# Altium PCB 外设连接基座PCB图3_.PcbDoc (part 1 of 2) (continued)
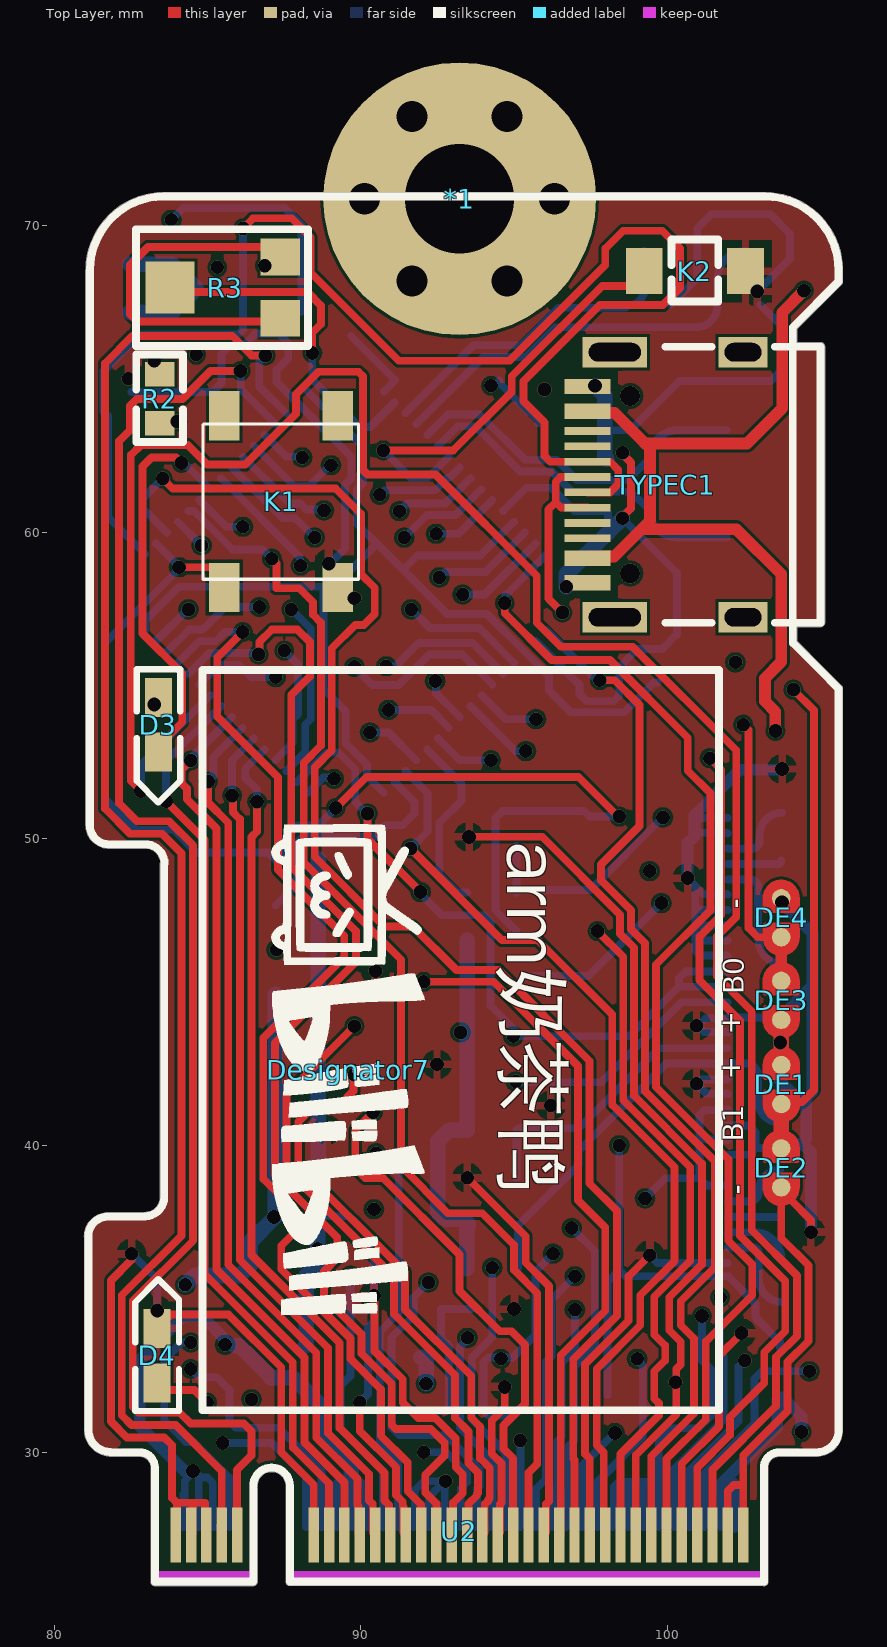
[diagram p0: Top Layer view]
## Footprints (in the part's own frame and the unit in brackets; to place one, negate y for a bottom-side part, rotate by r counter-clockwise, add the part's x,y. Pads: shape width x height; smd on the part's side, far side on the other; paste and mask are expansions set on the pad) (continued)
DEBUG_B#3 [mm] "调试断点焊盘"
  round 0.6 smd paste-0.6: 1(-0.635,0) 2(0.635,0)
  Top Layer region: 0.254,-0.508 0.762,-0.508 0.908,-0.479 1.031,-0.396 1.114,-0.273 1.143,-0.127 1.143,-0.127 1.143,0 1.104,0.194 0.994,0.359 0.829,0.469 0.635,0.508 0.635,0.508 0.254,0.508
  Top Layer region: -0.254,0.508 -0.762,0.508 -0.908,0.479 -1.031,0.396 -1.114,0.273 -1.143,0.127 -1.143,0.127 -1.143,0 -1.104,-0.194 -0.994,-0.359 -0.829,-0.469 -0.635,-0.508 -0.635,-0.508 -0.254,-0.508
  Top Layer lines w0.203: -0.635,0.508 ccw(c-0.635,0) -1.143,-0.002 ccw(c-0.635,0) -0.635,-0.508 -0.254,-0.508 -0.254,0 -0.254,0.508 -0.635,0.508 ; 0.254,0.508 0.635,0.508 cw(c0.635,0) 1.143,0 cw(c0.635,0) 0.635,-0.508 0.254,-0.508 0.254,0 0.254,0.508
DEBUG_B#4 [mm] "调试断点焊盘"
  round 0.6 smd paste-0.6: 1(-0.635,0) 2(0.635,0)
  Top Layer region: 0.254,-0.508 0.762,-0.508 0.908,-0.479 1.031,-0.396 1.114,-0.273 1.143,-0.127 1.143,-0.127 1.143,0 1.104,0.194 0.994,0.359 0.829,0.469 0.635,0.508 0.635,0.508 0.254,0.508
  Top Layer region: -0.254,0.508 -0.762,0.508 -0.908,0.479 -1.031,0.396 -1.114,0.273 -1.143,0.127 -1.143,0.127 -1.143,0 -1.104,-0.194 -0.994,-0.359 -0.829,-0.469 -0.635,-0.508 -0.635,-0.508 -0.254,-0.508
  Top Layer lines w0.203: -0.635,0.508 ccw(c-0.635,0) -1.143,0 ccw(c-0.635,0) -0.635,-0.508 -0.622,-0.508 -0.254,-0.508 -0.254,0 -0.254,0.508 -0.635,0.508 ; 0.254,0.508 0.254,0 0.254,-0.029 0.254,-0.508 0.635,-0.508 ccw(c0.635,0) 0.635,0.508 0.254,0.508
FPC0.5-30P [mm]
  rect 1.8x2.2 smd: 0(-8.9,0) 0(8.9,0)
  rect 0.3x1.3 smd: 1(-7.25,2.497) 2(-6.75,2.497) 3(-6.25,2.497) 4(-5.75,2.497) 5(-5.25,2.497) 6(-4.75,2.497) 7(-4.25,2.497) 8(-3.75,2.497) 9(-3.25,2.497) 10(-2.75,2.497) 11(-2.25,2.497) 12(-1.75,2.497) 13(-1.25,2.497) 14(-0.75,2.497) 15(-0.25,2.497) 16(0.25,2.497) 17(0.75,2.497) 18(1.25,2.497) 19(1.75,2.497) 20(2.25,2.497) 21(2.75,2.497) 22(3.25,2.497) 23(3.75,2.497) 24(4.25,2.497) 25(4.75,2.497) 26(5.25,2.497) 27(5.75,2.497) 28(6.25,2.497) 29(6.75,2.497) 30(7.25,2.497)
  silkscreen extent -9.68,-3.3 9.67,2.16, body extent -9.6,-3.15 9.6,2.85, height 2
GF_M.2_M_KEY [mm]
  rect 0.34x1.8 smd: 1(9.25,-2.694) 3(8.75,-2.694) 5(8.25,-2.694) 7(7.75,-2.694) 9(7.25,-2.694) 11(6.75,-2.694) 13(6.25,-2.694) 15(5.75,-2.694) 17(5.25,-2.694) 19(4.75,-2.694) 21(4.25,-2.694) 23(3.75,-2.694) 25(3.25,-2.694) 27(2.75,-2.694) 29(2.25,-2.694) 31(1.75,-2.694) 33(1.25,-2.694) 35(0.75,-2.694) 37(0.25,-2.694) 39(-0.25,-2.694) 41(-0.75,-2.694) 43(-1.25,-2.694) 45(-1.75,-2.694) 47(-2.25,-2.694) 49(-2.75,-2.694) 51(-3.25,-2.694) 53(-3.75,-2.694) 55(-4.25,-2.694) 57(-4.75,-2.694) 67(-7.25,-2.694) 69(-7.75,-2.694) 71(-8.25,-2.694) 73(-8.75,-2.694) 75(-9.25,-2.694)
  rect 0.34x2.3 smd far side: 2(9,-2.44) 4(8.5,-2.44) 6(8,-2.44) 8(7.5,-2.44) 10(7,-2.44) 12(6.5,-2.44) 14(6,-2.44) 16(5.5,-2.44) 18(5,-2.44) 20(4.5,-2.44) 22(4,-2.44) 24(3.5,-2.44) 26(3,-2.44) 28(2.5,-2.44) 30(2,-2.44) 32(1.5,-2.44) 34(1,-2.44) 36(0.5,-2.44) 38(0,-2.44) 40(-0.5,-2.44) 42(-1,-2.44) 44(-1.5,-2.44) 46(-2,-2.44) 48(-2.5,-2.44) 50(-3,-2.44) 52(-3.5,-2.44) 54(-4,-2.44) 56(-4.5,-2.44) 58(-5,-2.44) 68(-7.5,-2.44) 70(-8,-2.44) 72(-8.5,-2.44) 74(-9,-2.44)
  Top Layer pour cut-out: -10.414,-4.216 10.16,-4.216 10.16,-1.854 -10.414,-1.854
  Bottom Layer pour cut-out: -10.16,-4.318 10.16,-4.318 10.16,-1.346 -10.16,-1.346
  Keep-Out Layer lines w0.254: -10.976,0 -10.425,0 cw(c-10.425,-0.5) -9.925,-0.5 -9.925,-4 ; -9.924,-4 -6.726,-4 ; -6.725,-4 -6.725,-1.1 cw(c-6.125,-1.1) -5.525,-1.1 -5.525,-4 ; -5.522,-4 9.926,-4 ; 9.925,-4 9.925,-0.5 cw(c10.425,-0.5) 10.425,0 11.024,0
HX9193 [mm] "SOT23-5"
  rect 0.55x1.4 smd: 1(0,0) 2(0.95,0) 3(1.9,0) 4(1.9,3) 5(0,3)
  silkscreen extent -0.71,-0.48 2.45,2.06, body extent -0.55,0.1 2.45,2.9, height 1.15
LED-0603B [mil]
  rect 50x35 smd: A(0,0.26) K(70,0.26)
  silkscreen extent -36,-28 135,28, body extent 4,-15 66,17, height 24
LED-0603G [mil]
  rect 50x35 smd: A(0,0.26) K(70,0.26)
  silkscreen extent -36,-28 134,28, body extent 4,-15 66,17, height 24
LED-5630W [mm]
  rect 2.2x2.4 smd: A(-2.159,-0.768)
  rect 0.95x0.75 smd: A(0,-1.543) A(0,0.019) K(-5.588,0.019) K(-5.563,-1.543)
  silkscreen extent -4.75,-2.34 -0.79,0.83, body extent -5.57,-2.29 0.23,0.71, height 0.95
LOGO [mm]
  silkscreen extent -8,-2.5 8,2.5
"LQFP64 10x10_L" [mm] "64脚，体宽10x10mm，脚距0.5mm"
  oval 0.25x1.55 smd: 1(-3.75,-5.5) 2(-3.25,-5.5) 3(-2.75,-5.5) 4(-2.25,-5.5) 5(-1.75,-5.5) 6(-1.25,-5.5) 7(-0.75,-5.5) 8(-0.25,-5.5) 9(0.25,-5.5) 10(0.75,-5.5) 11(1.25,-5.5) 12(1.75,-5.5) 13(2.25,-5.5) 14(2.75,-5.5) 15(3.25,-5.5) 16(3.75,-5.5) 33(3.75,5.5) 34(3.25,5.5) 35(2.75,5.5) 36(2.25,5.5) 37(1.75,5.5) 38(1.25,5.5) 39(0.75,5.5) 40(0.25,5.5) 41(-0.25,5.5) 42(-0.75,5.5) 43(-1.25,5.5) 44(-1.75,5.5) 45(-2.25,5.5) 46(-2.75,5.5) 47(-3.25,5.5) 48(-3.75,5.5)
  oval 1.55x0.25 smd: 17(5.5,-3.75) 18(5.5,-3.25) 19(5.5,-2.75) 20(5.5,-2.25) 21(5.5,-1.75) 22(5.5,-1.25) 23(5.5,-0.75) 24(5.5,-0.25) 25(5.5,0.25) 26(5.5,0.75) 27(5.5,1.25) 28(5.5,1.75) 29(5.5,2.25) 30(5.5,2.75) 31(5.5,3.25) 32(5.5,3.75) 49(-5.499,3.75) 50(-5.499,3.25) 51(-5.499,2.75) 52(-5.499,2.25) 53(-5.499,1.75) 54(-5.499,1.25) 55(-5.499,0.75) 56(-5.499,0.25) 57(-5.499,-0.25) 58(-5.499,-0.75) 59(-5.499,-1.25) 60(-5.499,-1.75) 61(-5.499,-2.25) 62(-5.499,-2.75) 63(-5.499,-3.25) 64(-5.499,-3.75)
  silkscreen extent -4.95,-5.96 4.32,4.32, body extent -6,-6 6,6, height 1.45
"M3 140X350" [mil] "M3螺丝孔，孔140Mil，焊盘350Mil"
  round 35 hole 40: 1(-122,0) 1(-61,-105.66) 1(-61,105.66) 1(61,-105.66) 1(61,105.66) 1(122,0)
  round 350 hole 140: 1(0,0)
"OSC 3215-2P" [mm]
  rect 1.2x1.5 smd: 1(-1.65,0) 2(1.65,0)
  silkscreen extent -2.41,-0.89 2.41,0.89, body extent -1.47,-0.76 1.73,0.74, height 0.61
"OSC 5032-2P" [mm]
  rect 2.2x2.4 smd: 1(-1.75,0) 2(1.75,0)
  silkscreen extent -2.5,-1.6 2.5,1.6, body extent -2.5,-1.52 2.5,1.68, height 0.86
SMD-4X4X1.5 [mm]
  rect 1.6x1 smd: 1(-0.006,-0.065) 2(5.594,-0.065) 3(-0.006,-3.765) 4(5.594,-3.765)
  silkscreen extent 0.26,-4.44 5.32,0.64, body extent -0.53,-4.57 5.87,0.63, height 2.38
SOD-523 [mm] "塑封二极管"
  rect 0.3x0.4 smd: A(-0.203,-0.425) K(1.473,-0.425)
  silkscreen extent 0,-0.85 1.3,0, body extent -0.16,-0.83 1.44,-0.03, height 0.65
SOT-23 [mil]
  rect 36x36 smd: B(-35,-35) E(40,-35)
  rect 36x50 smd: C(3,45)
  silkscreen extent -55,-40 60,50, body extent -54,-48 60,62, height 47
"TEST 1.4" [mm] "测试点1.4mm"
  round 1.4 smd paste-1.4: 1(0,0)
  silkscreen extent -0.89,-0.89 0.89,0.89
TYPE-C [mm] "typec"
  rect 1.6x1.001 hole 0.6 slot 1.199 at 0 deg copper offset 0,0: 1(-2.181,4.32) 2(-2.181,-4.32)
  rect 2.101x1.001 hole 0.6 slot 1.7 at 0 deg copper offset 0.001,-0.001: 3(1.999,4.32)
  rect 2.101x1.001 hole 0.6 slot 1.7 at 0 deg copper offset 0.001,0: 4(1.999,-4.32)
  rect 1.5x0.5 smd: A1B12(2.889,3.2) A4B9(2.889,2.4) A9B4(2.889,-2.4) A12B1(2.889,-3.2)
  rect 1.5x0.251 smd: A5(2.889,1.25) A8(2.889,-1.25) B5(2.889,-1.75) B8(2.889,1.75)
  rect 1.5x0.249 smd: A6(2.889,0.25) A7(2.889,-0.25) B6(2.889,-0.75) B7(2.889,0.75)
  silkscreen extent -4.71,-4.5 0.35,4.5, body extent -5.72,-4.63 3.38,4.62, height 3.35

## Part data
*1: "铜柱孔"
C1 C2 C3 C4 C5 C6 C7 C8 C9 C10 C11 C12 C13 C14 C15 C16 C17 C18 C19 C20 C21 C22 C23: library part CAP, "无极性电容"
D1: "普通二极管"
D3 D4: library part LED
DE1 DE2 DE3 DE4: library part DEBUG, "调试断点焊盘"
F1: library part FUSE
J1: "贴片"
K2: "薄膜按键"
Q1: "PNP三极管"
R1 R2 R4 R5 R6 R7 R8 R9 R10 R11 R12 R13 R14 R15 R16: library part RES
R3: library part 电位器2
TP1: "测试点"
TYPEC1: "typec 3.1半完整引脚"
U2: BOM_Manufacturer=SHOWNAME=F, BOM_Manufacturer Part=SHOWNAME=F, BOM_Supplier=SHOWNAME=F, BOM_Supplier Part=SHOWNAME=F, Contributor=redgragon, link=SHOWNAME=F, spicePre=U, spiceSymbolName=GF_M.2_MKEY
U3: library part HX9193, "三端稳压"
X1 X2: library part XTAL-2P, "2脚无源脚晶振"

## Via types
v1: diameter 0.45, hole 0.45, Top Layer to Bottom Layer, tented both sides, 145 vias
v2: diameter 0.65, hole 0.65, Top Layer to Bottom Layer, tented both sides, 2 vias

## Nets (pads, with @x,y where several pads share a name; then routed paths per layer and width w, separated by ;. In a path a pad name is that pad's centre, name@x,y a point inside that pad or via, vN(x,y) a via of type N, cw(c..) or ccw(c..) an arc to the next point about the centre after c; other vN are vias at no path point)
3V3: C4.2 C5.2 C15.2 C16.2 C17.2 C18.2 C19.2 D1.K DE1.1 DE3.1 F1.2 J1.6 J1.9 J1.11 R1.1 R4.2 R6.2 R7.2 R9.2 R13.2 R15.2 R16.2 U2.2 U2.4 U2.12 U2.14 U2.16 U2.18 U3.5 | length 116.1
  Top Layer w0.508: DE3.1@103.705,44.098 DE3.1@103.705,44.098 103.706,43.59 103.706,43.129 103.706,42.623 DE1.1@103.708,42.621
  PWR w0.254: v1(84.277,35.458) 84.963,35.458 86.436,33.985 v1(86.436,31.725)
  PWR w0.381: v1(101.117,34.442) 101.117,34.448 100.66,34.905 100.66,35.382 101.117,35.839 102.184,35.839 103.683,34.341 103.683,31.344 v1(104.369,30.658)
  PWR w0.508: v1(87.173,37.668) 90.17,37.668 v1(90.424,37.922)
  GND w0.254: v1(99.263,38.278) 99.235,38.306 98.753,38.306 97.612,39.446 97.612,45.695 98.679,46.761 98.679,48.209 v1(99.416,48.946)
  GND w0.381: v1(86.436,31.725) 87.249,31.725 88.443,30.531 90.805,30.531 91.669,31.394 93.218,29.845 94.285,29.845 96.114,28.016 99.949,28.016 102.591,30.658 v1(104.369,30.658)
  GND w0.508: v1(90.424,37.922) 93.243,40.742 v1(93.243,43.688) ; 91.669,31.394 91.669,31.775 v1(92.126,32.233)
  Bottom Layer w0.254: U2.18@98.214,27.559 98.257,27.602 98.257,28.883 98.406,29.032 98.704,29.032 ; U2.16@98.714,27.559 98.704,27.569 98.704,29.032 ; U2.14@99.214,27.559 99.212,27.561 99.212,29.032 ; v1(99.263,38.278) 99.922,38.936 101.042,38.936 ; U2.12@99.73,27.575 U2.12@99.714,27.559 99.714,29.032 ; v1(101.117,34.442) 101.117,32.995 101.448,32.664 101.448,31.228 101.004,30.785 100.192,30.785 99.714,30.307 99.714,29.032 ; U2.4@101.714,27.559 101.714,28.727 ; 101.952,29.185 102.171,28.966 102.171,27.602 102.194,27.579 U2.2@102.214,27.559 ; J1.6@101.963,38.674 101.94,38.697 101.281,38.697 101.042,38.936 ; J1.9@101.963,40.174 101.94,40.197 101.281,40.197 101.042,40.436 ; J1.11@101.963,41.174 101.94,41.151 101.191,41.151 101.042,41.002 101.042,40.436 ; 98.704,29.032 99.212,29.032 ; 99.212,29.032 99.714,29.032 ; 101.042,38.936 101.042,40.436
  Bottom Layer w0.381: 101.714,28.727 101.714,28.946 101.952,29.185 103.578,30.811 103.578,31.714 R16.2@103.661,31.796 103.743,31.796 104.365,31.174 104.365,30.661 v1(104.369,30.658) ; 102.171,28.966 102.194,28.943 U2.2@102.194,27.579
  Bottom Layer w0.508: v1(84.277,35.458) 84.582,35.763 C19.2@85.928,35.763 86.055,35.763 86.395,36.103 86.395,36.865 C18.2@87.198,37.668 87.211,37.681 87.211,44.92 C5.2@87.224,44.933 ; U3.5@91.948,33.091 92.105,33.091 92.126,33.07 v1(92.126,32.233) ; D1.K@93.447,35.986 93.447,37.313 R1.1@93.497,37.363 93.497,37.446 93.351,37.592 92.736,37.592 92.507,37.821 92.507,40.132 92.875,40.5 R4.2@93.471,40.5 93.471,45.174 R13.2@93.471,46.698
  other v1: 103.673,43.358 102.21,55.753
5V: C20.2 C21.2 D2.A TYPEC1.A4B9 TYPEC1.A9B4 U2.40 U2.42 U2.44 U2.50 U2.52 U2.54 U2.70 U2.72 U2.74 U3.1 U3.3 | length 77.4
  Top Layer w0.381: TYPEC1.A4B9@97.39,59.144 97.45,59.204 98.256,59.204 99.428,60.376 99.428,62.725 99.263,62.89 ; TYPEC1.A9B4@97.39,63.944 97.449,63.885 98.269,63.885 99.263,62.89 ; 99.263,60.096 102.244,60.096 103.708,58.632 103.708,55.772 103.175,55.239 103.175,54.484 103.514,54.145 v1(103.514,53.518) ; v1(104.445,67.869) 103.734,67.158 103.734,64.033 102.591,62.89 99.263,62.89
  PWR w0.254: v1(92.761,29.058) 93.447,29.743 93.447,31.928 v1(94.564,33.045)
  Bottom Layer w0.254: U2.74@84.214,28.634 U2.74@84.214,27.559 84.257,27.602 84.257,29.074 v1@84.531,29.348 ; U2.72@84.709,27.564 U2.72@84.714,27.559 84.714,29.165 v1@84.531,29.348 ; U2.70@85.214,27.559 85.171,27.602 85.171,29.002 84.993,29.18 84.778,29.18 84.599,29.36 84.543,29.36 v1@84.531,29.348 ; U2.54@89.214,27.559 89.214,29.007 89.687,29.007 ; U2.52@89.714,27.559 89.687,27.586 89.687,29.007 ; U2.50@90.214,27.559 90.171,27.602 90.171,28.858 90.022,29.007 89.687,29.007 ; U2.44@91.714,27.559 91.757,27.602 91.757,28.765 92.05,29.058 v1@92.733,29.058 ; U2.42@92.214,27.559 92.214,28.539 v1@92.733,29.058 ; U2.40@92.714,27.559 92.737,27.582 92.737,29.034 v1(92.761,29.058) v1@92.733,29.058 ; U3.3@94.948,31.191 94.158,31.191 93.994,31.355 93.994,32.932 94.153,33.091 U3.1@94.948,33.091 95.697,33.84 95.697,35.905 v1(96.266,36.474)
  Bottom Layer w0.381: v1@84.531,29.348 84.291,29.348 82.789,30.851 82.789,33.005 84.226,34.442 84.807,34.442 85.774,33.476 C20.2@85.901,33.476
  Bottom Layer w0.508: D2.A@82.474,67.17 83.858,67.17 D2.A@84.633,67.945 83.845,68.732 D2.A@82.474,68.732 ; C20.2@85.901,33.476 86.028,33.476 87.068,32.436 87.783,32.436 C21.2@88.57,31.648 88.697,31.521 88.697,30.505 89.687,29.515 89.687,29.007
  other v1: 84.531,29.388 85.573,33.503 85.319,68.631
BOOT0: R12.2 R14.1 U1.60 | length 10.6
  PWR w0.254: v1(88.087,62.433) 90.424,64.77 v1(94.242,64.77)
  Bottom Layer w0.254: U1.60@86.858,63.165 86.861,63.165 87.571,62.455 88.065,62.455 v1(88.087,62.433) ; R14.1@94.513,64.948 94.513,64.865 95.472,63.906 95.51,63.906 95.783,63.633 R12.2@95.783,63.551
BOOT1: DE1.2 DE2.1 R10.1 R11.1 | length 31.2
  Top Layer w0.254: DE1.2@103.708,41.351 103.774,41.417 104.216,41.417 104.384,41.417 104.775,41.808 104.775,54.19 v1(104.101,54.864)
  Top Layer w0.508: DE2.1@103.705,39.907 103.706,39.909 103.706,40.415 103.706,40.843
  PWR w0.254: v1@99.873,50.648 103.454,50.648 104.496,51.689 104.496,54.416 104.101,54.811 v1(104.101,54.864)
  Bottom Layer w0.254: R10.1@95.071,48.247 R10.1@95.071,48.33 ; R11.1@95.071,49.771 R10.1@95.071,48.33 ; v1(99.846,50.698) 97.478,48.33 R10.1@95.071,48.33
GND: C2.1 C4.1 C5.1 C6.1 C7.1 C8.1 C9.1 C10.2 C11.1 C12.2 C13.1 C14.1 C15.1 C16.1 C17.1 C18.1 C19.1 C20.1 C21.1 C22.1 C23.1 D4.K DE2.2 DE4.2 J1.1 J1.8 J1.10 J1.12 J1.13 J1.16 J1.17 J1.21 J1.22 J1.23 J1.24 J1.25 J1.29 J1.30 K1.3 K2.3 Q1.C R5.2 R8.2 R11.2 R12.1 TYPEC1.A1B12 TYPEC1.A12B1 U1.12 U1.18 U1.63 U2.1 U2.3 U2.9 U2.15 U2.21 U2.27 U2.33 U2.39 U2.45 U2.57 U2.71 U2.73 U2.75 U3.2 | length 307.4
  Top Layer w0.254: v1(82.525,36.474) 82.525,36.271 81.852,35.598 81.852,31.001 82.372,30.48 83.591,30.48 83.845,30.226 83.845,28.508 84.007,28.346 ; D4.K@83.356,34.036 83.813,34.493 85.68,34.493 87.401,32.772 87.401,30.001 88.464,28.938 U2.57@88.464,27.305 ; U2.75@83.964,27.305 84.007,27.348 84.007,28.346 ; U2.73@84.464,27.305 84.507,27.348 84.507,28.355 ; U2.71@84.964,27.305 84.921,27.348 84.921,28.355 84.507,28.355 ; v1(89.964,31.623) 89.964,30.693 91.15,29.507 91.15,28.604 91.364,28.39 91.364,28.245 91.388,28.221 91.388,27.381 U2.45@91.464,27.305 ; v1(90.424,35.103) 90.442,35.085 90.442,33.302 91.364,32.38 91.364,31.623 91.872,31.115 92.425,31.115 93.091,30.449 93.091,29.515 93.321,29.285 93.321,28.669 93.007,28.355 93.007,27.348 U2.39@92.964,27.305 ; v1(93.471,38.951) 95.377,37.045 95.377,36.176 96.134,35.419 96.134,28.404 96.04,28.31 96.04,27.381 U2.27@95.964,27.305 ; v1(93.523,50.063) 95.91,50.063 98.45,47.523 98.45,46.903 98.908,46.446 98.908,41.62 101.117,39.411 101.117,36.119 100.051,35.052 100.051,33.98 100.432,33.599 100.432,32.862 100.282,32.712 100.282,32.311 v1(100.254,32.283) 100.282,32.255 100.282,31.225 98.964,29.907 U2.15@98.964,27.305 ; U2.33@94.464,27.305 94.54,27.381 94.54,28.31 94.583,28.353 94.583,29.643 94.269,29.957 94.269,31.029 94.691,31.451 v1(94.691,32.131) ; U2.21@97.464,27.305 97.464,29.79 97.307,29.947 97.307,32.873 98.73,34.295 98.73,35.738 v1(99.416,36.424) ; v1(98.527,60.452) 98.527,60.492 98.806,60.771 98.806,62.267 98.527,62.546 v1(98.527,62.586) ; U2.9@100.464,27.305 100.464,29.623 101.676,30.836 101.676,33.147 v1(102.413,33.884) ; U2.3@101.964,27.305 101.964,28.736 102.159,28.931 102.464,28.931 ; U2.1@102.464,27.305 102.464,28.931 ; DE2.2@103.705,38.637 DE2.2@103.705,38.536 ; v1(104.675,37.172) 104.675,37.566 104.01,38.231 DE2.2@103.705,38.536 ; 84.007,28.346 84.016,28.355 84.507,28.355 ; 102.464,28.931 102.464,29.894 103.911,31.342 103.911,32.944 104.597,33.63 104.597,36.09 103.705,36.982 103.705,38.129 DE2.2@103.705,38.536
  PWR w0.254: v1(100.254,32.283) 100.276,32.306 100.835,32.306 v1(102.413,33.884)
  PWR w0.381: v1(94.691,32.131) 95.58,32.131 96.901,30.81 96.901,30.277 97.739,29.439 98.639,29.439 99.2,29.999 99.2,31.204 97.942,32.461 97.942,33.249 99.416,34.722 v1(99.416,36.424)
  PWR w0.508: v1(82.525,36.474) 83.49,36.474 83.642,36.627 v1(88.595,36.627)
  GND w0.254: v1(82.423,64.999) 82.423,60.63 81.661,59.868 81.661,51.099 82.519,50.241 83.952,50.241 84.48,49.713 84.48,37.77 83.185,36.474 v1(82.525,36.474) ; v1(99.416,36.424) 98.908,35.916 98.908,34.341 100.254,32.995 v1(100.254,32.283) ; v1(100.942,42.012) 100.47,42.484 100.47,43.432 v1(100.942,43.904)
  Bottom Layer w0.254: v1(82.525,36.474) 83.363,35.636 v1(83.363,34.62) ; Q1.C@82.525,64.567 85.166,64.567 85.458,64.859 85.458,65.811 85.712,66.065 86.162,66.065 86.538,66.441 86.538,66.472 87.325,66.472 87.63,66.167 87.63,65.659 87.249,65.278 87.249,64.896 U1.63@87.919,64.226 89.687,62.458 89.687,61.747 89.484,61.544 89.484,59.461 89.002,58.979 v1(88.951,58.979) ; C18.1@88.595,37.694 89.611,37.694 90.424,36.881 v1(90.424,35.103) 90.424,34.27 90.232,34.078 90.232,31.891 v1(89.964,31.623) ; U1.12@94.636,60.69 94.639,60.69 95.391,61.443 96.215,61.443 96.977,60.681 C11.1@98.019,60.681 98.057,60.642 98.057,59.982 ; U1.18@95.697,56.448 97.13,55.015 97.13,54.717 97.364,54.483 98.247,54.483 98.425,54.661 98.425,55.596 99.013,56.185 99.822,56.185 100.302,56.665 100.302,58.677 v1(98.527,60.452) ; 97.946,63.32 98.778,63.32 100.381,64.922 103.358,64.922 103.734,65.298 103.734,66.7 C13.1@103.022,67.412 ; v1(99.416,36.424) 99.665,36.174 J1.1@101.963,36.174 ; C14.1@100.101,67.412 100.965,68.275 100.965,69.901 101.422,70.358 103.353,70.358 103.988,69.723 103.988,68.903 102.928,67.843 v1(102.921,67.843) ; v1(100.647,48.717) 100.901,48.463 ; 100.876,50.368 101.047,50.197 101.94,50.197 J1.29@101.963,50.174 ; 100.876,50.775 100.92,50.775 101.021,50.674 J1.30@101.963,50.674 ; 100.932,46.828 101.081,46.68 101.958,46.68 J1.22@101.963,46.674 ; 100.932,47.284 101.042,47.174 J1.23@101.963,47.174 ; J1.8@101.963,39.674 101.986,39.697 102.646,39.697 102.867,39.919 ; J1.10@101.963,40.674 101.986,40.651 102.646,40.651 102.867,40.429 102.867,39.919 ; J1.12@101.963,41.674 101.94,41.697 101.256,41.697 v1(100.942,42.012) 101.081,42.151 101.94,42.151 J1.13@101.963,42.174 ; J1.16@101.963,43.674 101.94,43.697 101.202,43.697 100.995,43.904 101.242,44.151 101.94,44.151 J1.17@101.963,44.174 103.59,44.174 R8.2@103.739,44.323 ; J1.21@101.963,46.174 101.94,46.197 101.056,46.197 100.901,46.351 100.901,47.825 ; J1.24@101.963,47.674 101.052,47.674 100.901,47.825 ; J1.25@101.963,48.174 101.94,48.197 101.168,48.197 100.901,48.463 ; 104.374,40.075 104.218,39.919 102.867,39.919 ; 100.901,47.825 100.901,48.463
  Bottom Layer w0.381: v1(100.647,48.717) 100.647,49.86 100.876,50.089 100.876,50.368 100.876,50.775 102.349,52.248 C7.1@103.708,52.248 ; C2.1@103.705,42.19 C2.1@103.648,42.133 104.372,41.409 ; C6.1@103.734,47.904 104.724,46.914 104.724,45.226 ; R8.2@103.78,44.282 104.724,45.226 ; v1(104.675,37.172) 104.675,39.775 104.374,40.075 104.521,40.222 104.521,41.558 104.724,41.762 104.724,45.226
  Bottom Layer w0.508: C20.1@88.187,33.476 88.214,33.504 C19.1@88.214,35.763 88.595,36.144 v1(88.595,36.627) C18.1@88.595,37.694 88.608,37.706 88.608,40.589 88.608,43.51 88.608,46.406 88.608,49.314 C8.1@88.621,49.327 ; v1(96.698,58.217) 96.698,58.623 98.057,59.982 v1(98.527,60.452) ; v1(97.638,64.77) 97.946,64.462 97.946,63.32 97.946,62.455 C9.1@98.019,62.382
  other v1: 94.996,34.671 88.9,40.513 96.19,41.3 88.925,42.012 92.481,42.647 90.475,45.695 103.734,47.93 103.734,52.273 89.789,57.843
I2C_SCL: J1.18 R7.1 U1.33 | length 23.2
  PWR w0.254: v1(89.129,51.955) 90.843,51.955 92.532,50.267 92.532,48.92 95.047,46.406 95.047,45.003 96.088,43.962 96.088,43.129 v1(95.047,42.088)
  Bottom Layer w0.254: U1.33@88.273,51.498 88.276,51.498 88.771,51.994 89.051,51.994 89.089,51.955 v1(89.129,51.955) ; R7.1@95.072,42.088 95.098,42.062 97.841,42.062 100.452,44.674 J1.18@101.963,44.674
I2C_SDA: J1.19 J1.20 R6.1 U1.34 | length 23.6
  Top Layer w0.254: v1(90.217,50.825) 90.217,49.994 v1(91.948,48.263)
  Bottom Layer w0.254: U1.34@87.919,51.852 88.874,52.807 89.276,52.807 89.814,52.268 89.814,51.206 v1@90.17,50.851 ; v1@91.941,48.216 92.647,47.511 93.996,47.511 94.23,47.276 94.23,44.56 95.071,43.72 R6.1@95.071,43.637 95.147,43.561 98.755,43.561 100.368,45.174 ; J1.19@101.963,45.174 100.368,45.174 ; J1.20@101.963,45.674 100.589,45.674 100.368,45.453 100.368,45.174
  other v1: 94.971,43.561
NetC1_1: C1.1 J1.3 | length 2.2
  Bottom Layer w0.254: J1.3@101.963,37.174 102.831,37.174 cw(c102.831,36.297) C1.1@103.708,36.297
NetC1_2: C1.2 J1.2 | length 3.1
  Bottom Layer w0.254: J1.2@101.963,36.674 102.797,36.674 cw(c102.797,36.5) 102.972,36.5 102.972,35.662 ccw(c103.734,35.662) C1.2@103.734,34.9
NetC2_2: C2.2 D1.A J1.14 R1.2 | length 13.9
  Bottom Layer w0.254: D1.A@95.123,35.986 95.123,37.338 R1.2@95.097,37.363 97.104,39.37 97.104,39.827 99.951,42.674 J1.14@101.963,42.674 102.563,42.674 cw(c102.563,42.291) 102.946,42.291 102.946,41.463 ccw(c103.673,41.463) C2.2@103.673,40.736
NetC3_1: C3.1 J1.5 | length 2.3
  Bottom Layer w0.254: J1.5@101.963,38.174 102.665,38.174 ccw(c102.665,38.481) 102.972,38.481 102.972,38.513 cw(c103.676,38.513) C3.1@103.676,39.218
NetC3_2: C3.2 J1.4 | length 1.8
  Bottom Layer w0.254: J1.4@101.963,37.674 103.555,37.674 ccw(c103.555,37.821) C3.2@103.701,37.821
NetC6_2: C6.2 J1.27 | length 1.8
  Bottom Layer w0.254: J1.27@101.963,49.174 103.581,49.174 ccw(c103.581,49.301) C6.2@103.708,49.301
NetC7_2: C7.2 J1.28 | length 2.5
  Bottom Layer w0.254: J1.28@101.972,49.682 J1.28@101.963,49.674 102.735,49.674 ccw(c102.735,49.936) 102.997,49.936 102.997,50.114 cw(c103.734,50.114) C7.2@103.734,50.851
NetC10_1: C10.1 U1.31 | length 7.8
  Bottom Layer w0.254: C10.1@87.224,47.828 87.919,48.524 87.919,49.87 88.113,50.063 90.424,50.063 90.805,50.444 91.364,50.444 91.745,50.825 91.745,51.208 U1.31@91.101,51.852
NetC12_1: C12.1 U1.47 | length 15.3
  GND w0.254: v1(84.379,57.48) 82.537,55.639 82.537,53.429 84.328,51.638 84.328,51.435 85.192,50.571 85.192,48.438 v1(87.249,46.38)
  Bottom Layer w0.254: U1.47@83.323,56.448 v1@84.367,57.492
NetC23_2: C23.2 U3.4 | length 5.4
  Bottom Layer w0.254: U3.4@91.948,31.191 92.096,31.339 92.85,31.339 92.877,31.365 92.877,33.463 92.608,33.731 92.608,34.671 C23.2@93.599,34.671
NetD2_K: D2.K R2.1 | length 12.3
  PWR w0.254: v1(83.261,65.583) 83.82,66.142 v1(83.82,70.18)
  Bottom Layer w0.254: v1(83.82,70.18) 84.201,70.561 87.528,70.561 88.062,70.028 D2.K@88.062,68.732 88.062,67.196 D2.K@88.036,67.17
NetD3_A: D3.A R9.1 | length 86.6
  GND w0.254: v1(83.261,54.381) 85.065,54.381 87.401,52.045 87.401,49.464 89.052,47.813 89.052,45.245 87.782,43.975 87.782,38.873 91.084,35.571 91.084,34.194 90.52,33.63 89.481,33.63 88.364,34.747 86.817,34.747 84.836,36.728 84.049,36.728 82.626,35.306 82.626,32.614 84.252,30.988 85.395,30.988 85.649,31.242 85.649,32.131 85.877,32.36 90.907,32.36 93.345,34.798 94.107,34.798 94.691,35.382 95.225,35.382 98.298,32.309 98.298,31.877 99.111,31.064 100.355,31.064 101.27,31.979 101.27,32.817 100.076,34.011 100.076,35.306 101.003,36.233 101.003,38.519 99.162,40.361 99.162,46.005 99.797,46.64 v1(99.797,47.904)
  Bottom Layer w0.254: R9.1@95.071,45.174 95.071,45.256 95.344,45.529 97.421,45.529 v1@99.771,47.879
NetD4_A: D4.A R15.1 | length 1.9
  Top Layer w0.254: D4.A@83.356,32.258 83.585,32.029 84.573,32.029 84.98,31.623 v1(84.988,31.623)
NetDE3_2: DE3.2 DE4.1 R14.2 | length 25
  Top Layer w0.254: v1(102.464,53.721) 102.641,53.544 102.641,47.092 102.943,46.79 103.197,46.79 DE4.1@103.705,46.79 DE4.1@103.718,46.803
  Top Layer w0.381: DE3.2@103.705,45.368 103.705,45.876 103.705,46.282
  PWR w0.254: v1(95.987,64.643) 97.079,63.551 99.67,63.551 103.683,59.538 103.683,56.058 102.997,55.372 102.997,54.254 v1(102.464,53.721)
NetF1_1: F1.1 U1.13 U1.19 U1.32 U1.48 U1.64 | length 38.7
  Bottom Layer w0.254: U1.48@82.969,56.802 82.969,57.115 84.071,58.217 88.786,58.217 ; U1.64@88.273,64.579 90.068,62.784 90.068,61.59 89.865,61.386 89.865,60.274 90.526,59.614 ; U1.32@90.747,51.498 90.195,52.05 90.195,52.426 89.51,53.111 89.51,54.153 88.786,54.877 88.786,58.217 ; 91.507,58.905 91.835,59.233 93.886,59.233 U1.13@94.99,60.337 ; F1.1@99.677,55.093 99.55,55.093 98.585,54.127 96.85,54.127 96.134,54.844 96.134,55.304 U1.19@95.343,56.095 94.11,57.328 92.812,57.328 90.526,59.614 ; 88.786,58.217 89.129,58.217 90.526,59.614
NetJ1_15: J1.15 R4.1 R5.1 | length 9.5
  Bottom Layer w0.254: R5.1@95.071,38.951 R4.1@95.071,40.5 95.134,40.564 97.104,40.564 99.714,43.174 J1.15@101.963,43.174
NetJ1_26: J1.26 R8.1 | length 4.1
  Bottom Layer w0.254: J1.26@101.963,48.674 102.685,48.674 cw(c102.685,48.387) 102.972,48.387 ; 102.946,46.716 102.946,48.412 ; 102.972,46.691 ccw(c103.739,46.691) R8.1@103.739,45.923
NetQ1_B: Q1.B R3.1 R3.3 | length 15.7
  Top Layer w0.254: R3.1@87.373,66.97 87.269,66.866 82.714,66.866 82.474,67.107 82.474,68.707 83.058,69.291 87.052,69.291 R3.3@87.373,68.97
  PWR w0.254: v1(84.633,65.786) 84.633,66.243 86.868,68.478 v1(86.868,68.682)
NetQ1_E: Q1.E R2.2
  other v1: 84.023,63.602
NetR10_2: R10.2 U1.28 | length 6
  Bottom Layer w0.254: U1.28@92.161,52.913 92.161,52.91 93.281,51.79 93.281,51.244 92.558,50.521 92.558,48.831 93.142,48.247 R10.2@93.471,48.247
OSC32_IN: C14.2 U1.3 X2.1 | length 10.8
  Bottom Layer w0.254: U1.3@91.454,63.872 93.673,66.091 95.225,66.091 96.444,67.31 98.628,67.31 C14.2@98.704,67.386 ccw(c98.704,67.922) 99.24,67.922 X2.1@99.24,69.164
OSC32_OUT: C13.2 U1.4 X2.2 | length 13.8
  Bottom Layer w0.254: U1.4@91.808,63.519 93.999,65.71 95.382,65.71 96.348,66.675 100.914,66.675 ccw(c100.914,67.386) C13.2@101.625,67.386 101.625,68.25 cw(c102.54,68.25) X2.2@102.54,69.164
OSC_IN: C9.2 U1.5 X1.2 | length 11.7
  Bottom Layer w0.254: U1.5@92.161,63.165 92.164,63.165 92.829,63.83 93.878,63.83 95.352,62.357 96.378,62.357 97.039,61.697 98.704,61.697 C9.2@99.416,62.408 cw(c100.327,62.408) 100.327,63.32 X1.2@101.93,63.32
OSC_OUT: C11.2 U1.6 X1.1 | length 11.3
  Bottom Layer w0.254: U1.6@92.515,62.812 92.518,62.812 93.155,63.449 93.726,63.449 95.199,61.976 96.221,61.976 96.881,61.316 98.806,61.316 C11.2@99.416,60.706 ccw(c100.302,60.706) 100.302,59.82 X1.1@101.93,59.82